# Altium PCB Length Bar Comparator.PcbDoc (part 4 of 6)
Units mm, origin at the board's own origin, x right, y up, seen from the top; angles counter-clockwise.
Board outline 299.85 x 245.49 mm, 4 copper layers (Top Layer, Internal Plane 1, Internal Plane 2, Bottom Layer), stack 0.778 mm thick; 462 components, 376 nets, 1824 pads, 805 vias.
Unrouted connection lines stored in the file: 8.
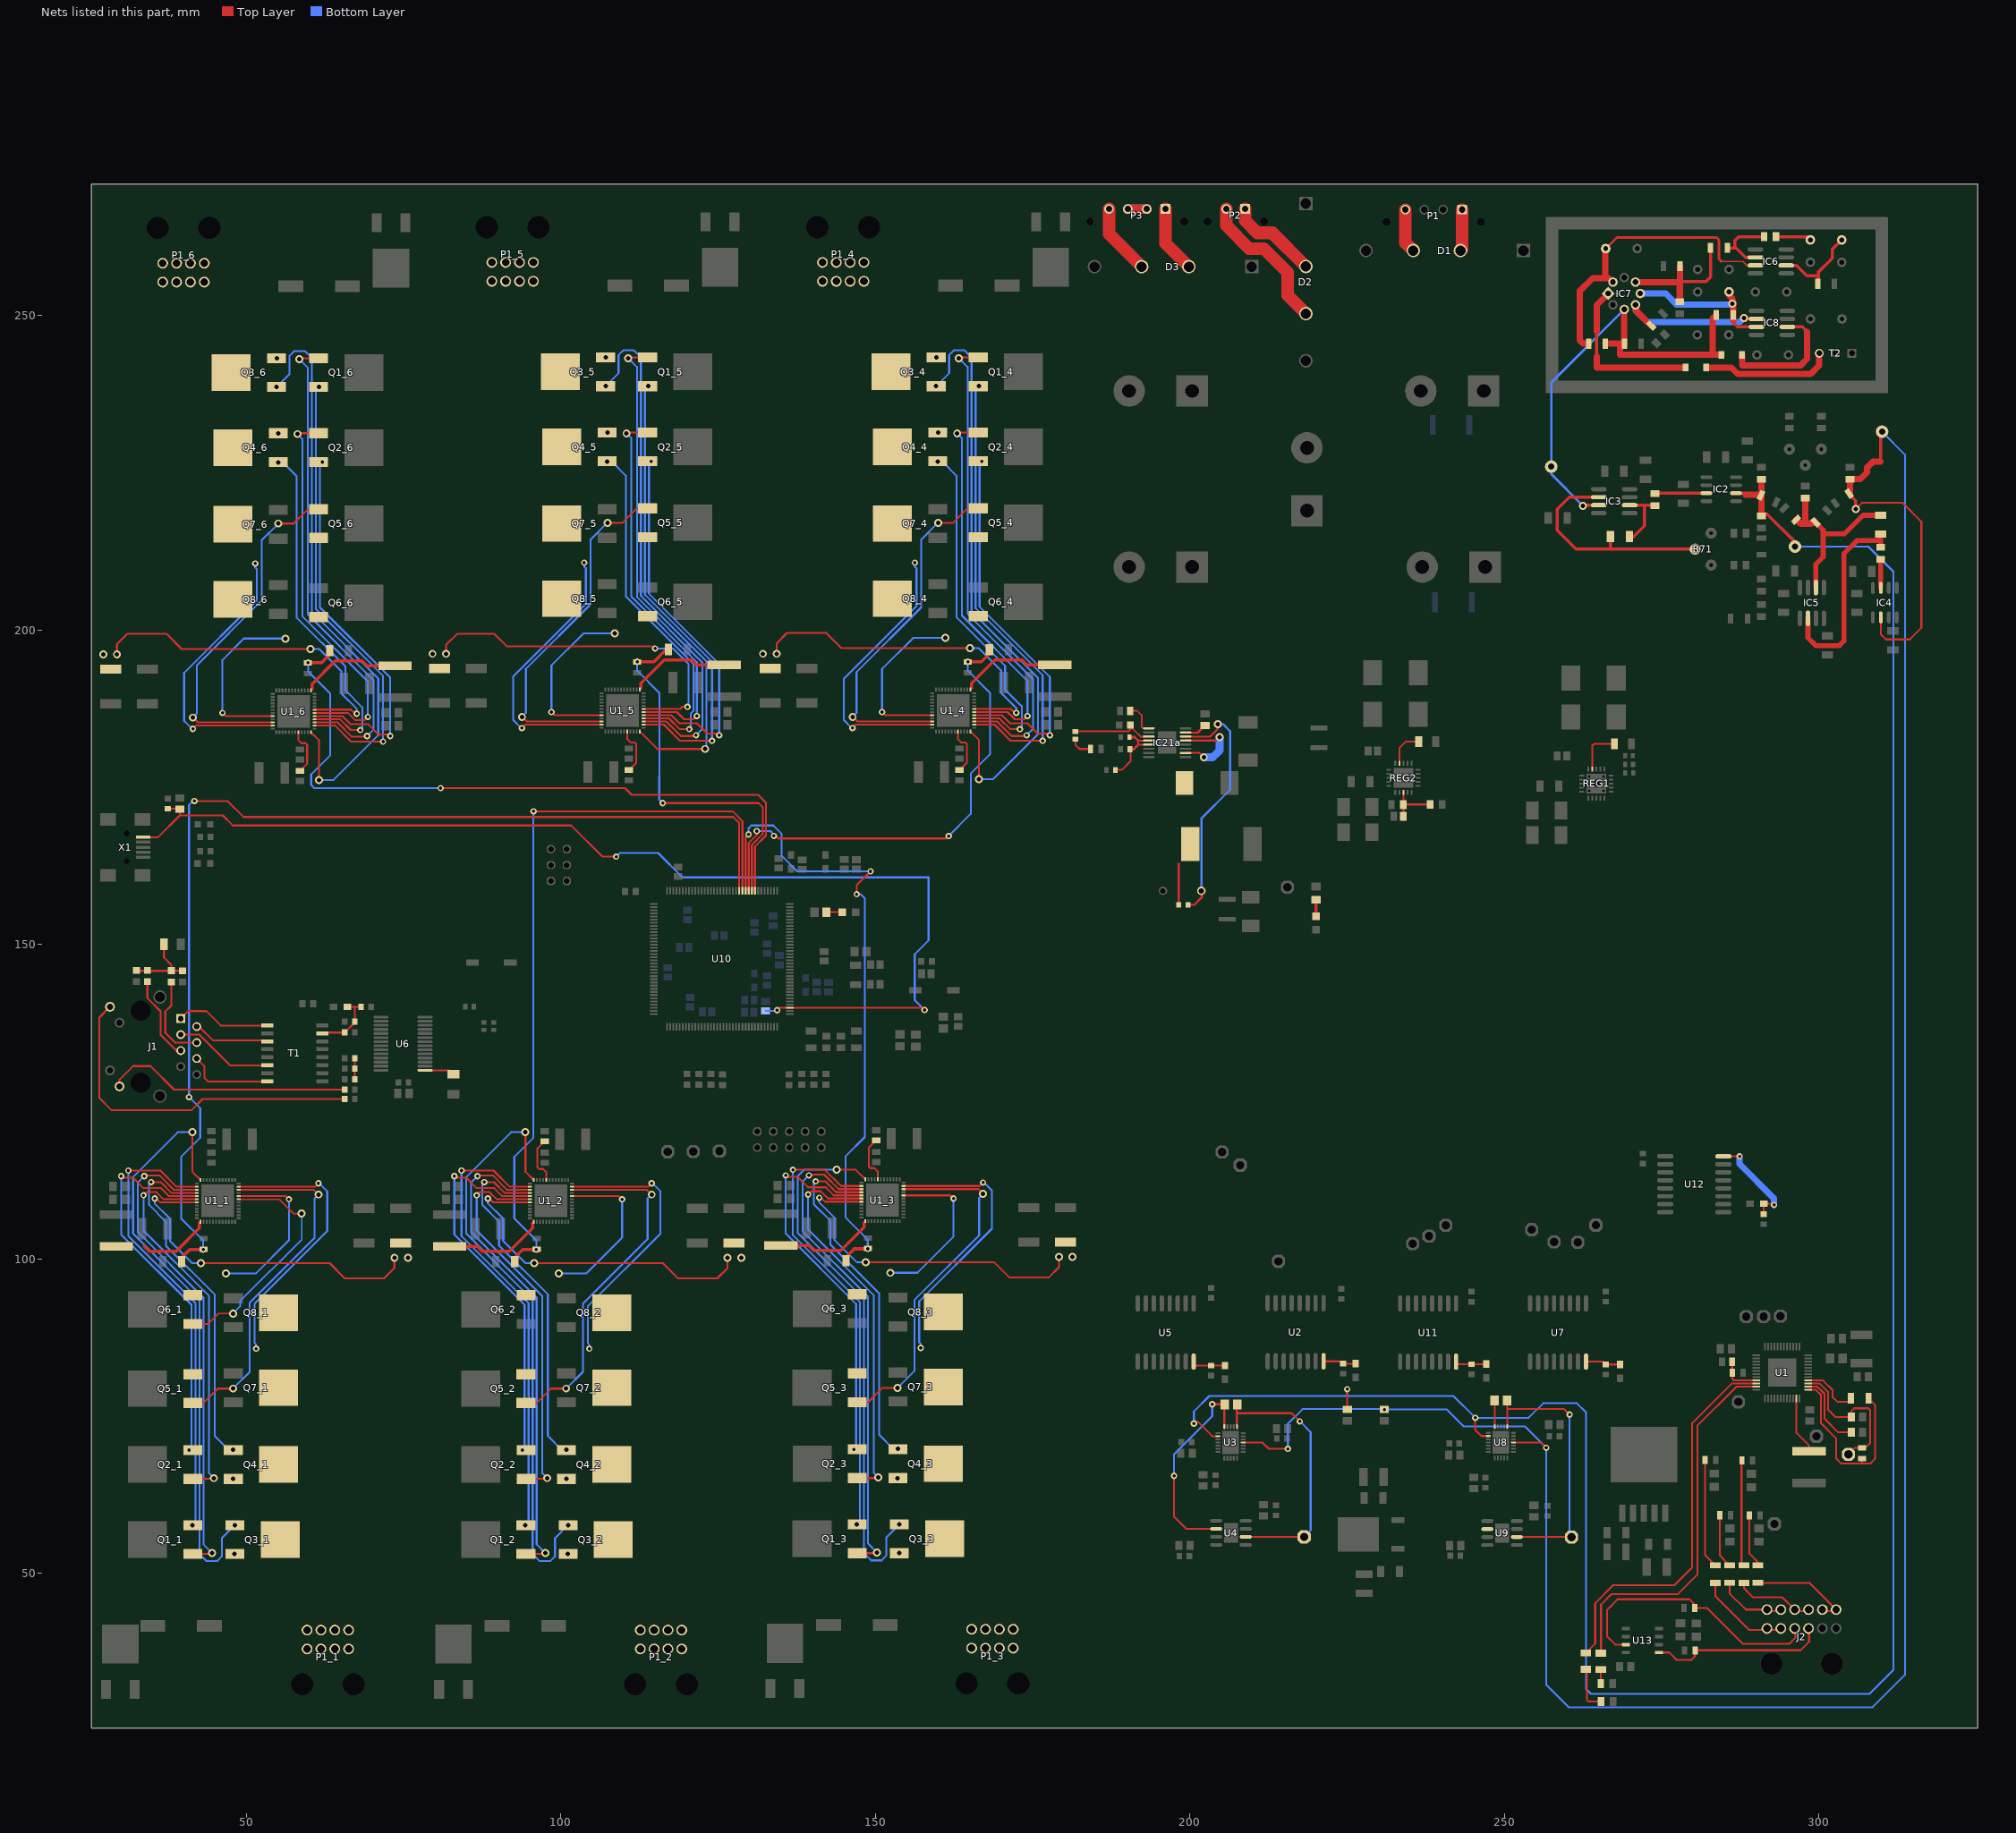
[diagram p6: the nets of this part, all layers, seen from the top]

## Via types
v1: diameter 1.016, hole 0.508, Top Layer to Bottom Layer, 512 vias
v2: diameter 1.27, hole 0.711, Top Layer to Bottom Layer, 194 vias
v3: diameter 1.5, hole 1, Top Layer to Bottom Layer, 31 vias
v4: diameter 2, hole 1, Top Layer to Bottom Layer, 24 vias
v5: diameter 0.762, hole 0.381, Top Layer to Bottom Layer, 20 vias
v6: diameter 1, hole 0.7, Top Layer to Bottom Layer, 6 vias
v7: diameter 1.27, hole 0.7, Top Layer to Bottom Layer, 6 vias
v8: diameter 3, hole 2, Top Layer to Bottom Layer, 4 vias
v9: diameter 0.5, hole 0.2, Top Layer to Bottom Layer, 4 vias
v10: diameter 1.4, hole 1, Top Layer to Bottom Layer, 2 vias
v11: diameter 1, hole 0.5, Top Layer to Bottom Layer, 1 vias
v12: diameter 1, hole 0.75, Top Layer to Bottom Layer, 1 vias

## Nets (pads, with @x,y where several pads share a name; then routed paths per layer and width w, separated by ;. In a path a pad name is that pad's centre, name@x,y a point inside that pad or via, vN(x,y) a via of type N, cw(c..) or ccw(c..) an arc to the next point about the centre after c; other vN are vias at no path point) (continued)
NetC3_2: C3.2 C4.1 C20.1 U10.39 X1.1 | length 182.2
  Top Layer w0.305: X1.1@33.613,167.046 35.956,167.046 39.421,170.51 ; C4.1@37.516,171.59 39.446,171.59 39.446,170.536 39.421,170.51 ; v1(108.788,163.957) 106.578,163.957 101.625,168.91 47.854,168.91 46.253,170.51 39.421,170.51 ; v1(134.366,139.548) 134.769,139.951 U10.39@136.403,139.951 157.432,139.951 v1(157.81,139.573)
  Bottom Layer w0.305: v1(108.788,163.957) 109.372,164.541 115.443,164.541 119.329,160.655 158.445,160.655 158.445,150.647 156.235,148.438 156.235,141.148 v1(157.81,139.573) ; C20.1@132.512,139.433 134.251,139.433 v1(134.366,139.548)
NetC3_2_2: C3_2.2 U1_2.44 | length 7.6
  Top Layer w0.305: C3_2.2@97.409,118.707 96.266,117.564 96.266,114.554 96.52,114.3 97.155,114.3 97.675,113.78 U1_2.44@97.675,112.555
NetC3_3_2: C3_3.2 U1_3.44 | length 7.6
  Top Layer w0.305: C3_3.2@150.089,118.834 148.946,117.691 148.946,114.681 149.2,114.427 149.835,114.427 150.355,113.907 U1_3.44@150.355,112.682
NetC3_4_2: C3_4.2 U1_4.44 | length 7.6
  Top Layer w0.305: U1_4.44@163.106,183.863 163.106,182.638 163.626,182.118 164.261,182.118 164.515,181.864 164.515,178.854 C3_4.2@163.372,177.711
NetC3_5_2: C3_5.2 U1_5.44 | length 7.6
  Top Layer w0.305: U1_5.44@110.553,183.863 110.553,182.638 111.073,182.118 111.708,182.118 111.962,181.864 111.962,178.854 C3_5.2@110.819,177.711
NetC3_6_2: C3_6.2 U1_6.44 | length 7.6
  Top Layer w0.305: U1_6.44@58.254,183.736 58.254,182.511 58.774,181.991 59.409,181.991 59.663,181.737 59.663,178.727 C3_6.2@58.52,177.584
NetC5_1: C5.1 TP1.TP U3.20 U4.6 | length 43
  Top Layer w0.305: U3.20@207.451,73.315 207.451,75.463 ; C5.1@207.527,76.86 207.451,76.784 207.451,75.463 ; U4.6@208.852,55.804 217.449,55.804 217.729,55.524 TP1.TP@218.135,55.524 ; v1(217.449,74.168) 216.154,75.463 207.451,75.463
  Bottom Layer w0.305: v1(217.449,74.168) 219.177,72.441 219.177,56.845 TP1.TP@218.135,55.804
NetC5_2: C5.2 U3.24 U4.2 | length 33.3
  Top Layer w0.3: v1(197.46,65.507) 197.46,59.03 199.415,57.074 U4.2@204.152,57.074 ; v1(203.53,76.886) C5.2@205.35,76.886
  Top Layer w0.305: U3.24@205.451,73.315 C5.2@205.451,76.784
  Top Layer w0.5: C5.2@205.35,76.886 C5.2@205.451,76.784
  Bottom Layer w0.3: v1(197.46,65.507) 197.46,68.936 203.53,75.006 v1(203.53,76.886)
NetC6_1_2: C6_1.2 R6_1.1 U10.85 | length 178.7
  Top Layer w0.305: v1(41.732,172.796) 47.015,172.796 49.555,170.256 127.381,170.256 128.321,169.316 128.321,158.533 U10.85@128.353,158.501
  Top Layer w0.5: C6_1.2@39.703,99.568 39.703,100.179 40.997,101.473 v1(43.141,101.473) R6_1.1@43.18,101.512
  Bottom Layer w0.305: v1(41.732,172.796) 41.529,172.796 40.894,172.161 v1(40.894,125.73) 42.672,123.952 42.672,119.253 39.624,116.205 39.624,106.426 43.141,102.909 v1(43.141,101.473)
NetC6_2_2: C6_2.2 R6_2.1 U10.84 | length 122
  Top Layer w0.305: v1(95.656,171.171) 127.279,171.171 128.853,169.597 U10.84@128.853,158.501
  Top Layer w0.5: C6_2.2@92.662,99.568 92.662,100.179 93.956,101.473 v1(96.1,101.473) R6_2.1@96.139,101.512
  Bottom Layer w0.305: v1(95.656,171.171) 95.631,171.145 95.631,119.253 92.583,116.205 92.583,106.426 96.1,102.909 v1(96.1,101.473)
NetC6_3_2: C6_3.2 R6_3.1 U10.83 | length 104
  Top Layer w0.305: U10.83@129.353,158.501 129.353,167.021 v1(129.819,167.488) ; v1(147.015,157.988) 147.015,159.41 v1(149.225,161.62)
  Top Layer w0.5: C6_3.2@145.342,99.695 145.342,100.306 146.636,101.6 v1(148.78,101.6) R6_3.1@148.819,101.639
  Bottom Layer w0.305: v1(129.819,167.488) 129.819,168.453 130.277,168.91 133.756,168.91 135.103,167.564 135.103,164.059 137.541,161.62 v1(149.225,161.62) ; v1(147.015,157.988) 147.625,157.988 148.311,157.302 148.311,119.38 145.263,116.332 145.263,106.553 148.78,103.036 v1(148.78,101.6)
NetC6_4_2: C6_4.2 R6_4.1 U10.82 | length 77.8
  Top Layer w0.305: U10.82@129.853,158.501 129.853,166.124 131.14,167.411 v1(131.14,168.021) ; v1(133.858,167.259) 134.188,167.259 134.595,166.853 161.265,166.853 v1(161.646,167.234)
  Top Layer w0.5: R6_4.1@164.642,194.906 v1(164.681,194.945) 166.825,194.945 168.119,196.239 C6_4.2@168.119,196.85
  Bottom Layer w0.305: v1(131.14,168.021) 133.299,168.021 133.858,167.462 v1(133.858,167.259) ; v1@161.633,167.246 165.15,170.763 165.15,177.165 168.198,180.213 168.198,189.992 164.681,193.509 v1(164.681,194.945)
NetC6_5_2: C6_5.2 R6_5.1 U10.81 | length 60.2
  Top Layer w0.305: v1(116.18,172.466) 131.42,172.466 132.08,171.806 132.08,167.538 130.353,165.811 U10.81@130.353,158.501
  Top Layer w0.5: R6_5.1@112.089,194.906 v1(112.128,194.945) 114.808,194.945 116.713,196.85 C6_5.2@117.119,196.85
  Bottom Layer w0.305: v1(112.128,194.945) 112.128,193.509 115.645,189.992 115.645,176.783 115.634,176.772 115.634,173.011 v1(116.18,172.466)
NetC6_6_2: C6_6.2 R6_6.1 U10.80 | length 115
  Top Layer w0.305: v1(80.874,174.854) 110.185,174.854 111.252,173.787 131.343,173.787 132.588,172.542 132.588,167.31 130.853,165.575 U10.80@130.853,158.501
  Top Layer w0.5: R6_6.1@59.79,194.779 v1(59.829,194.818) 61.973,194.818 63.267,196.112 C6_6.2@63.267,196.723
  Bottom Layer w0.305: v1(59.829,194.818) 59.829,193.382 63.346,189.865 63.346,180.086 60.298,177.038 60.298,175.338 60.782,174.854 v1(80.874,174.854)
NetC7_1_2: C7_1.2 U1_1.13 | length 11.4
  Top Layer w0.5: 33.767,101.996 34.544,101.219 38.862,101.219 42.545,104.902 42.545,105.664
NetC7_2_2: C7_2.2 U1_2.13 | length 15.8
  Top Layer w0.5: C7_2.2@82.296,101.996 86.726,101.996 87.503,101.219 91.821,101.219 95.504,104.902 95.504,105.664
NetC7_3_2: C7_3.2 U1_3.13 | length 15.8
  Top Layer w0.5: C7_3.2@134.976,102.123 139.406,102.123 140.183,101.346 144.501,101.346 148.184,105.029 148.184,105.791
NetC7_4_2: C7_4.2 U1_4.13 | length 15.8
  Top Layer w0.5: 165.277,190.754 165.277,191.516 168.96,195.199 173.278,195.199 174.055,194.422 C7_4.2@178.485,194.422
NetC7_5_2: C7_5.2 U1_5.13 | length 15.8
  Top Layer w0.5: 112.724,190.754 112.724,191.516 116.407,195.199 120.725,195.199 121.502,194.422 C7_5.2@125.932,194.422
NetC7_6_2: C7_6.2 U1_6.13 | length 15.8
  Top Layer w0.5: 60.425,190.627 60.425,191.389 64.108,195.072 68.426,195.072 69.203,194.295 C7_6.2@73.633,194.295
NetC11_1: C11.1 L1.2 U2.16 | length 5.2
  Top Layer w0.305: U2.16@221.234,83.718 223.71,83.718 224.079,83.35 224.084,83.345 L1.2@226.314,83.345
NetC28_1: C28.1 R3.2 | length 2.2
  Top Layer w0.305: R3.2@265.293,32.487 265.293,34.682 C28.1@265.328,34.717
NetC28_2: C28.2 U1.47 | length 60.6
  Top Layer w0.305: C28.2@265.328,37.317 265.328,45.034 267.005,46.711 277.571,46.711 280.645,49.784 280.645,73.482 286.841,79.678 U1.47@290.02,79.678
NetC31_2: C31.2 R15.2 U1.45 | length 6.7
  Top Layer w0.305: C31.2@286.169,83.668 286.169,81.789 286.195,81.763 286.195,80.936 286.453,80.678 U1.45@290.02,80.678
NetC34_1: C34.1 R7.2 | length 7.5
  Top Layer w0.305: C34.1@263.083,34.997 263.083,29.896 263.337,29.642 R7.2@265.344,29.642
NetC34_2: C34.2 U1.46 | length 62
  Top Layer w0.305: C34.2@262.915,37.347 264.414,38.846 264.414,45.263 267.259,48.108 276.987,48.108 279.781,50.902 279.781,73.838 286.122,80.178 U1.46@290.02,80.178
NetC35_2: C35.2 R19.2 TP18.TP U1.15 | length 24.3
  Top Layer w0.305: U1.15@298.27,80.178 300.086,80.178 301.41,78.855 301.41,76.061 302.604,74.867 C35.2@305.107,74.867 305.107,75.771 305.575,76.239 307.836,76.239 308.115,75.959 308.115,70.702 307.595,70.181 307.024,70.181 R19.2@306.82,69.977 305.714,69.977 TP18.TP@304.673,68.936
NetC36_1: C36.1 J2.11 J2.12 | length 14.8
  Top Layer w0.305: C36.1@283.503,48.474 283.503,46.392 288.913,40.982 J2.11@294.008,40.982
NetC36_2: C36.2 R16.1 | length 17.4
  Top Layer w0.305: R16.1@281.865,68.009 281.865,52.911 C36.2@283.503,51.274
NetC46_1: C46.1 L6.2 U5.16 | length 5.6
  Top Layer w0.305: U5.16@200.584,83.665 200.584,83.083 200.635,83.033 C46.1@203.327,83.033 205.554,83.033 L6.2@205.562,83.04
NetC53_1: C53.1 R21.1 R22.1 | length 3.4
  Top Layer w0.305: R22.1@67.246,128.549 R21.1@67.246,130.277 C53.1@67.246,131.902
NetC54_1: C54.1 L7.2 R23.1 R24.1 T1.15 | length 10.6
  Top Layer w0.305: T1.15@62.078,135.865 62.205,135.992 R24.1@65.646,135.992 67.246,137.592 R23.1@67.246,137.719 67.246,140.018 67.183,140.081 ; L7.2@66.073,140.081 67.183,140.081 ; C54.1@68.237,140.106 68.212,140.081 67.183,140.081
NetC57_1: C57.1 TP15.TP U8.20 U9.6 | length 42.7
  Top Layer w0.305: C57.1@250.403,77.495 250.419,77.479 250.419,76.149 ; U8.20@250.419,73.33 250.419,76.149 ; U9.6@251.956,55.778 TP15.TP@260.629,55.778 ; v1(260.325,75.26) 259.436,76.149 250.419,76.149
  Bottom Layer w0.305: v1(260.325,75.26) 260.325,56.083 TP15.TP@260.629,55.778
NetC57_2: C57.2 U8.24 U9.2 | length 4.2
  Top Layer w0.305: C57.2@248.403,77.495 248.419,77.479 U8.24@248.419,73.33
NetC58_2: C58.2 IC4.6 R52.2 R74.1 U3.16 U8.16 X3.1 | length 414.8
  Top Layer w0.305: U3.16@208.451,70.815 211.506,70.815 212.522,69.799 v1(215.544,69.799) ; C58.2@230.759,76.073 230.773,76.059 v1(230.886,76.059) ; U8.16@251.419,70.83 255.763,70.83 v1(256.616,69.977) ; v2(305.816,219.202) 306.857,220.243 313.233,220.243 316.255,217.221 316.255,200.33 314.427,198.501 310.617,198.501 309.804,199.314 IC4.6@309.804,201.993
  Top Layer w0.5: R74.1@304.927,221.615 304.927,221.412 305.816,220.523 v2(305.816,219.202) ; 309.753,226.782 309.753,230.632 X3.1@310.261,231.14
  Top Layer w1: R74.1@304.927,221.615 R52.2@304.927,223.967 306.517,223.967 307.594,225.044 307.594,225.806 308.57,226.782 309.753,226.782
  Bottom Layer w0.305: v1(215.544,69.799) 215.544,73.787 217.881,76.124 230.962,76.124 v1@230.897,76.059 ; v1(230.886,76.059) v1@230.897,76.059 ; X3.1@310.007,231.521 313.639,227.889 313.639,33.858 308.508,28.727 260.172,28.727 256.616,32.283 v1(256.616,69.977) 253.238,73.355 243.51,73.355 240.806,76.059 v1@230.897,76.059
NetC59_2: C59.2 IC2.6 R40.1 R66.2 R69.2 U3.2 U8.2 X2.1 | length 386
  Top Layer w0.3: v1(200.609,73.838) 200.863,74.092 201.244,74.092 203.521,71.815 U3.2@204.451,71.815 ; v1(245.339,74.727) 245.339,72.796 246.305,71.83 U8.2@247.419,71.83
  Top Layer w0.305: v1(224.993,79.273) 224.993,76.084 C59.2@225.019,76.059
  Top Layer w0.5: IC2.6@286.79,221.742 287.996,221.742 288.25,221.488 ; R69.2@290.83,218.495 291.664,218.495 296.164,213.995 X2.1@296.164,213.258
  Top Layer w1: 288.25,221.488 R66.2@290.83,221.488 ; R69.2@290.83,218.495 R66.2@290.83,221.488 ; R40.1@290.83,223.967 R66.2@290.83,221.488
  Bottom Layer w0.3: v1(200.609,73.838) 200.609,75.743 203.073,78.207 224.993,78.207 ; 225.044,78.207 241.859,78.207 v1(245.339,74.727) 253.822,74.727 256.134,77.038 261.493,77.038 262.941,75.59 262.941,31.623 263.728,30.836 308,30.836 311.81,34.646 311.81,209.271 307.823,213.258 X2.1@296.164,213.258
  Bottom Layer w0.305: 224.993,78.207 v1(224.993,79.273)
NetC64_2: C64.2 U6.1 | length 4.8
  Top Layer w0.305: U6.1@78.405,129.989 82.279,129.989 C64.2@82.931,129.337
NetC65_1: C65.1 L8.2 U7.16 | length 5.6
  Top Layer w0.305: U7.16@262.941,83.665 265.635,83.665 C65.1@266.09,83.21 266.098,83.218 L8.2@268.351,83.218
NetC69_2: C69.2 R31.2 R32.2 R33.2 R34.2 | length 12
  Top Layer w0.305: R34.2@32.537,145.883 32.614,145.807 R33.2@39.853,145.807 ; C69.2@36.902,150.038 36.902,147.908 38.075,146.736 R32.2@38.075,145.832
NetC72_1: C72.1 L9.2 U11.16 | length 5
  Top Layer w0.305: U11.16@242.291,83.665 242.695,83.261 C72.1@244.754,83.261 247.109,83.261 L9.2@247.117,83.269
NetC74_1: C74.1 J2.5 J2.6 | length 10.9
  Top Layer w0.305: C74.1@285.763,48.499 285.763,46.824 288.351,44.236 J2.6@291.705,44.236 ; J2.6@291.808,43.982 J2.5@294.008,43.982
NetC74_2: C74.2 R18.1 | length 8.6
  Top Layer w0.305: R18.1@284.202,59.246 284.189,59.233 284.189,52.874 C74.2@285.763,51.299
NetC75_1: C75.1 U1.16 | length 8.8
  Top Layer w0.305: U1.16@298.27,80.678 300.628,80.678 302.146,79.16 302.146,78.042 302.934,77.255 C75.1@304.988,77.255
NetC75_2: C75.2 R19.1 U1.13 | length 31
  Top Layer w0.305: U1.13@298.27,79.178 299.486,79.178 300.292,78.372 300.292,73.877 302.68,71.489 302.68,68.314 303.543,67.45 308.115,67.45 308.877,68.212 308.877,76.801 308.423,77.255 C75.2@307.788,77.255 ; 306.82,67.45 R19.1@306.82,68.277
NetC76_1: C76.1 J2.3 J2.4 | length 13.3
  Top Layer w0.305: C76.1@288.049,48.474 288.049,47.637 289.509,46.177 294.164,46.177 J2.4@296.105,44.236 ; J2.4@296.208,43.982 298.408,43.982 J2.3@297.84,44.549
NetC76_2: C76.2 R41.1 | length 16.7
  Top Layer w0.305: C76.2@287.668,51.299 287.668,67.894 R41.1@287.733,67.958
NetC77_1: C77.1 J2.1 J2.2 | length 16.6
  Top Layer w0.305: C77.1@290.285,48.499 298.442,48.499 J2.1@302.705,44.236 ; J2.2@300.457,44.133 300.608,43.982 J2.1@302.808,43.982
NetC77_2: C77.2 R43.1 | length 8.5
  Top Layer w0.305: R43.1@288.927,59.195 288.927,53.111 290.285,51.753 C77.2@290.285,51.299
NetC79_1: C79.1 L11.2 U12.16 | length 15.9
  Top Layer w0.305: U12.16@284.787,116.307 v1(287.35,116.307) ; C79.1@291.211,107.099 291.193,107.117 L11.2@291.193,108.763 292.659,108.763 v1(292.837,108.585)
  Bottom Layer w1: v1(287.35,116.307) 287.35,115.087 292.837,109.601 v1(292.837,108.585)
NetC81_2: C81.2 U1.14 | length 12.1
  Top Layer w0.305: U1.14@298.27,79.678 299.723,79.678 300.851,78.55 300.851,74.613 303.035,72.429 C81.2@305.107,72.429
NetC82_2: C82.2 U1.11 | length 9.2
  Top Layer w0.305: U1.11@296.395,77.803 296.395,72.312 298.387,70.321 C82.2@298.387,69.391
NetC97_2: C97.2 REG1.14 | length 7.4
  Top Layer w0.305: REG1.14@263.942,177.89 263.942,181.595 264.262,181.915 C97.2@267.484,181.915
NetC108_1: C108.1 R58.1 R59.2 REG2.3 | length 8.1
  Top Layer w0.305: C108.1@233.897,170.358 233.92,170.382 R58.1@233.92,172.212 ; REG2.3@233.92,174.159 R58.1@233.92,172.212 ; R59.2@238.166,172.263 233.971,172.263 R58.1@233.92,172.212
NetC109_2: C109.2 REG2.14 | length 5.9
  Top Layer w0.305: REG2.14@233.27,178.809 233.27,181.2 234.34,182.27 C109.2@236.343,182.27
NetC132_1: C132.1 IC3.6 R39.1 | length 10.9
  Top Layer w0.5: C132.1@269.541,214.757 270.47,214.757 272.248,216.535 272.248,219.837 ; IC3.6@269.872,219.837 271.74,219.837 272.248,219.837 ; R39.1@274.026,219.837 272.248,219.837
NetC132_2: C132.2 IC3.2 R71.3 | length 35.9
  Top Layer w0.5: IC3.2@264.972,221.107 260.274,221.107 258.369,219.202 258.369,215.824 261.341,212.852 266.929,212.852 ; C132.2@266.826,214.833 266.826,212.955 266.929,212.852 ; R71.3@280.289,212.852 266.929,212.852
NetC133_1: C133.1 IC5.2 R67.1 R70.1 R73.2 | length 29.7
  Top Layer w0.5: R73.2@299.208,216.793 R73.2@299.208,217.397
  Top Layer w0.8: R73.2@299.418,217.122 300.634,215.906 300.634,215.29 ; IC5.2@299.491,206.742 299.491,210.464 300.634,211.607 300.634,215.29 ; C133.1@309.778,218.238 306.986,218.238 304.038,215.29 300.634,215.29
  Top Layer w1: R70.1@296.339,217.503 296.466,217.503 297.053,216.916 297.815,216.916 ; R67.1@297.815,220.98 297.815,216.916 ; R73.2@299.208,217.397 298.727,216.916 297.815,216.916
NetC133_2: C133.2 IC5.6 R77.1 | length 32.3
  Top Layer w0.8: IC5.6@298.221,201.842 298.221,198.755 299.466,197.51 303.225,197.51 303.936,198.222 303.936,212.115 306.019,214.198 309.778,214.198 ; R77.1@309.778,213.142 309.778,214.198 ; C133.2@309.778,215.238 309.778,214.198
NetC138a_1: C138a.1 D8a.1 IC21a.2 IC21a.5 L5a.1 | length 20.4
  Top Layer w0.33: C138a.1@198.208,156.286 198.208,162.775 ; IC21a.2@199.292,180.46 201.48,180.46 v2(202.184,179.756) ; IC21a.5@199.292,182.41 204.203,182.41 v2(204.724,182.931)
  Bottom Layer w1.27: v2(202.184,179.756) 203.606,179.756 204.724,180.873 v2(204.724,182.931)
NetC138a_2: C138a.2 D7a.2 IC21a.6 | length 40.6
  Top Layer w0.254: D7a.2@201.835,158.55 D7a.2@201.88,158.595
  Top Layer w0.33: IC21a.6@198.657,183.024 203.176,183.024 204.394,184.242 v2(204.394,185.014) ; C138a.2@199.708,156.286 200.685,156.286 201.88,157.481 D7a.2@201.88,158.595
  Bottom Layer w0.33: D7a.2@201.804,158.521 201.804,170.028 206.375,174.6 206.375,183.896 205.257,185.014 v2(204.394,185.014)
NetC139a_1: C139a.1 C140a.2 IC21a.11 | length 12.9
  Top Layer w0.254: C140a.2@190.528,184.866 190.948,184.445 190.948,184.231 192.132,183.047 IC21a.11@193.039,183.047
  Top Layer w0.3: C139a.1@181.788,183.861 181.797,183.871 190.251,183.871 ; 190.251,183.915 190.528,184.191 C140a.2@190.528,184.866
NetC139a_2: C139a.2 R106a.2 | length 3.6
  Top Layer w0.3: C139a.2@181.788,182.661 181.788,181.737 182.448,181.077 R106a.2@184.189,181.077
NetC141a_1: C141a.1 IC21a.9 | length 4.8
  Top Layer w0.254: C141a.1@190.528,187.152 191.583,187.152 192.345,186.39 192.345,184.485 192.483,184.347 IC21a.9@193.039,184.347
NetC142a_2: C142a.2 IC21a.7 | length 4.2
  Top Layer w0.33: IC21a.7@198.657,183.674 201.226,183.674 C142a.2@202.383,184.831
NetC143a_1: C143a.1 IC21a.12 IC21a.13 R105a.2 R107a.2 | length 11.1
  Top Layer w0.254: IC21a.13@193.039,181.746 191.766,181.746 191.766,182.397 IC21a.12@193.039,182.397
  Top Layer w0.3: C143a.1@188.115,177.754 189.17,177.754 190.528,179.111 R107a.2@190.528,181.056
  Top Layer w0.4: R107a.2@190.528,181.056 191.075,181.056 191.766,181.746 ; R105a.2@190.528,182.961 191.202,182.961 191.766,182.397
NetC146_1: C146.1 R81.2 | length 5.7
  Top Layer w0.254: C146.1@298.084,262.534 C146.1@298.592,262.026
  Top Layer w0.5: R81.2@293.152,262.534 C146.1@298.084,262.534
NetC146_2: C146.2 IC6.6 R80.1 | length 13.9
  Top Layer w0.5: IC6.6@294.779,257.962 296.393,257.962 298.044,256.311 299.862,256.311 ; R80.1@299.862,255.39 299.862,256.311 ; C146.2@303.592,262.026 302.108,260.542 302.108,259.105 299.862,256.859 299.862,256.311
NetC149_2: C149.2 IC6.3 IC7.8 R86.1 | length 48.7
  Top Layer w0.254: 284.455,258.597 287.884,258.597 288.519,257.962 IC6.3@289.879,257.962